# Altium PCB MotherBoard.PcbDoc (part 3 of 10)
Units mm, origin at the board's own origin, x right, y up, seen from the top; angles counter-clockwise.
Board outline 200 x 200 mm, 8 copper layers (Top Layer, Ground, Signal Layer 1, Power, Power 2, Signal Layer 2, Ground 2, Bottom Layer), stack 1.494 mm thick; 819 components, 704 nets, 3400 pads, 2339 vias.
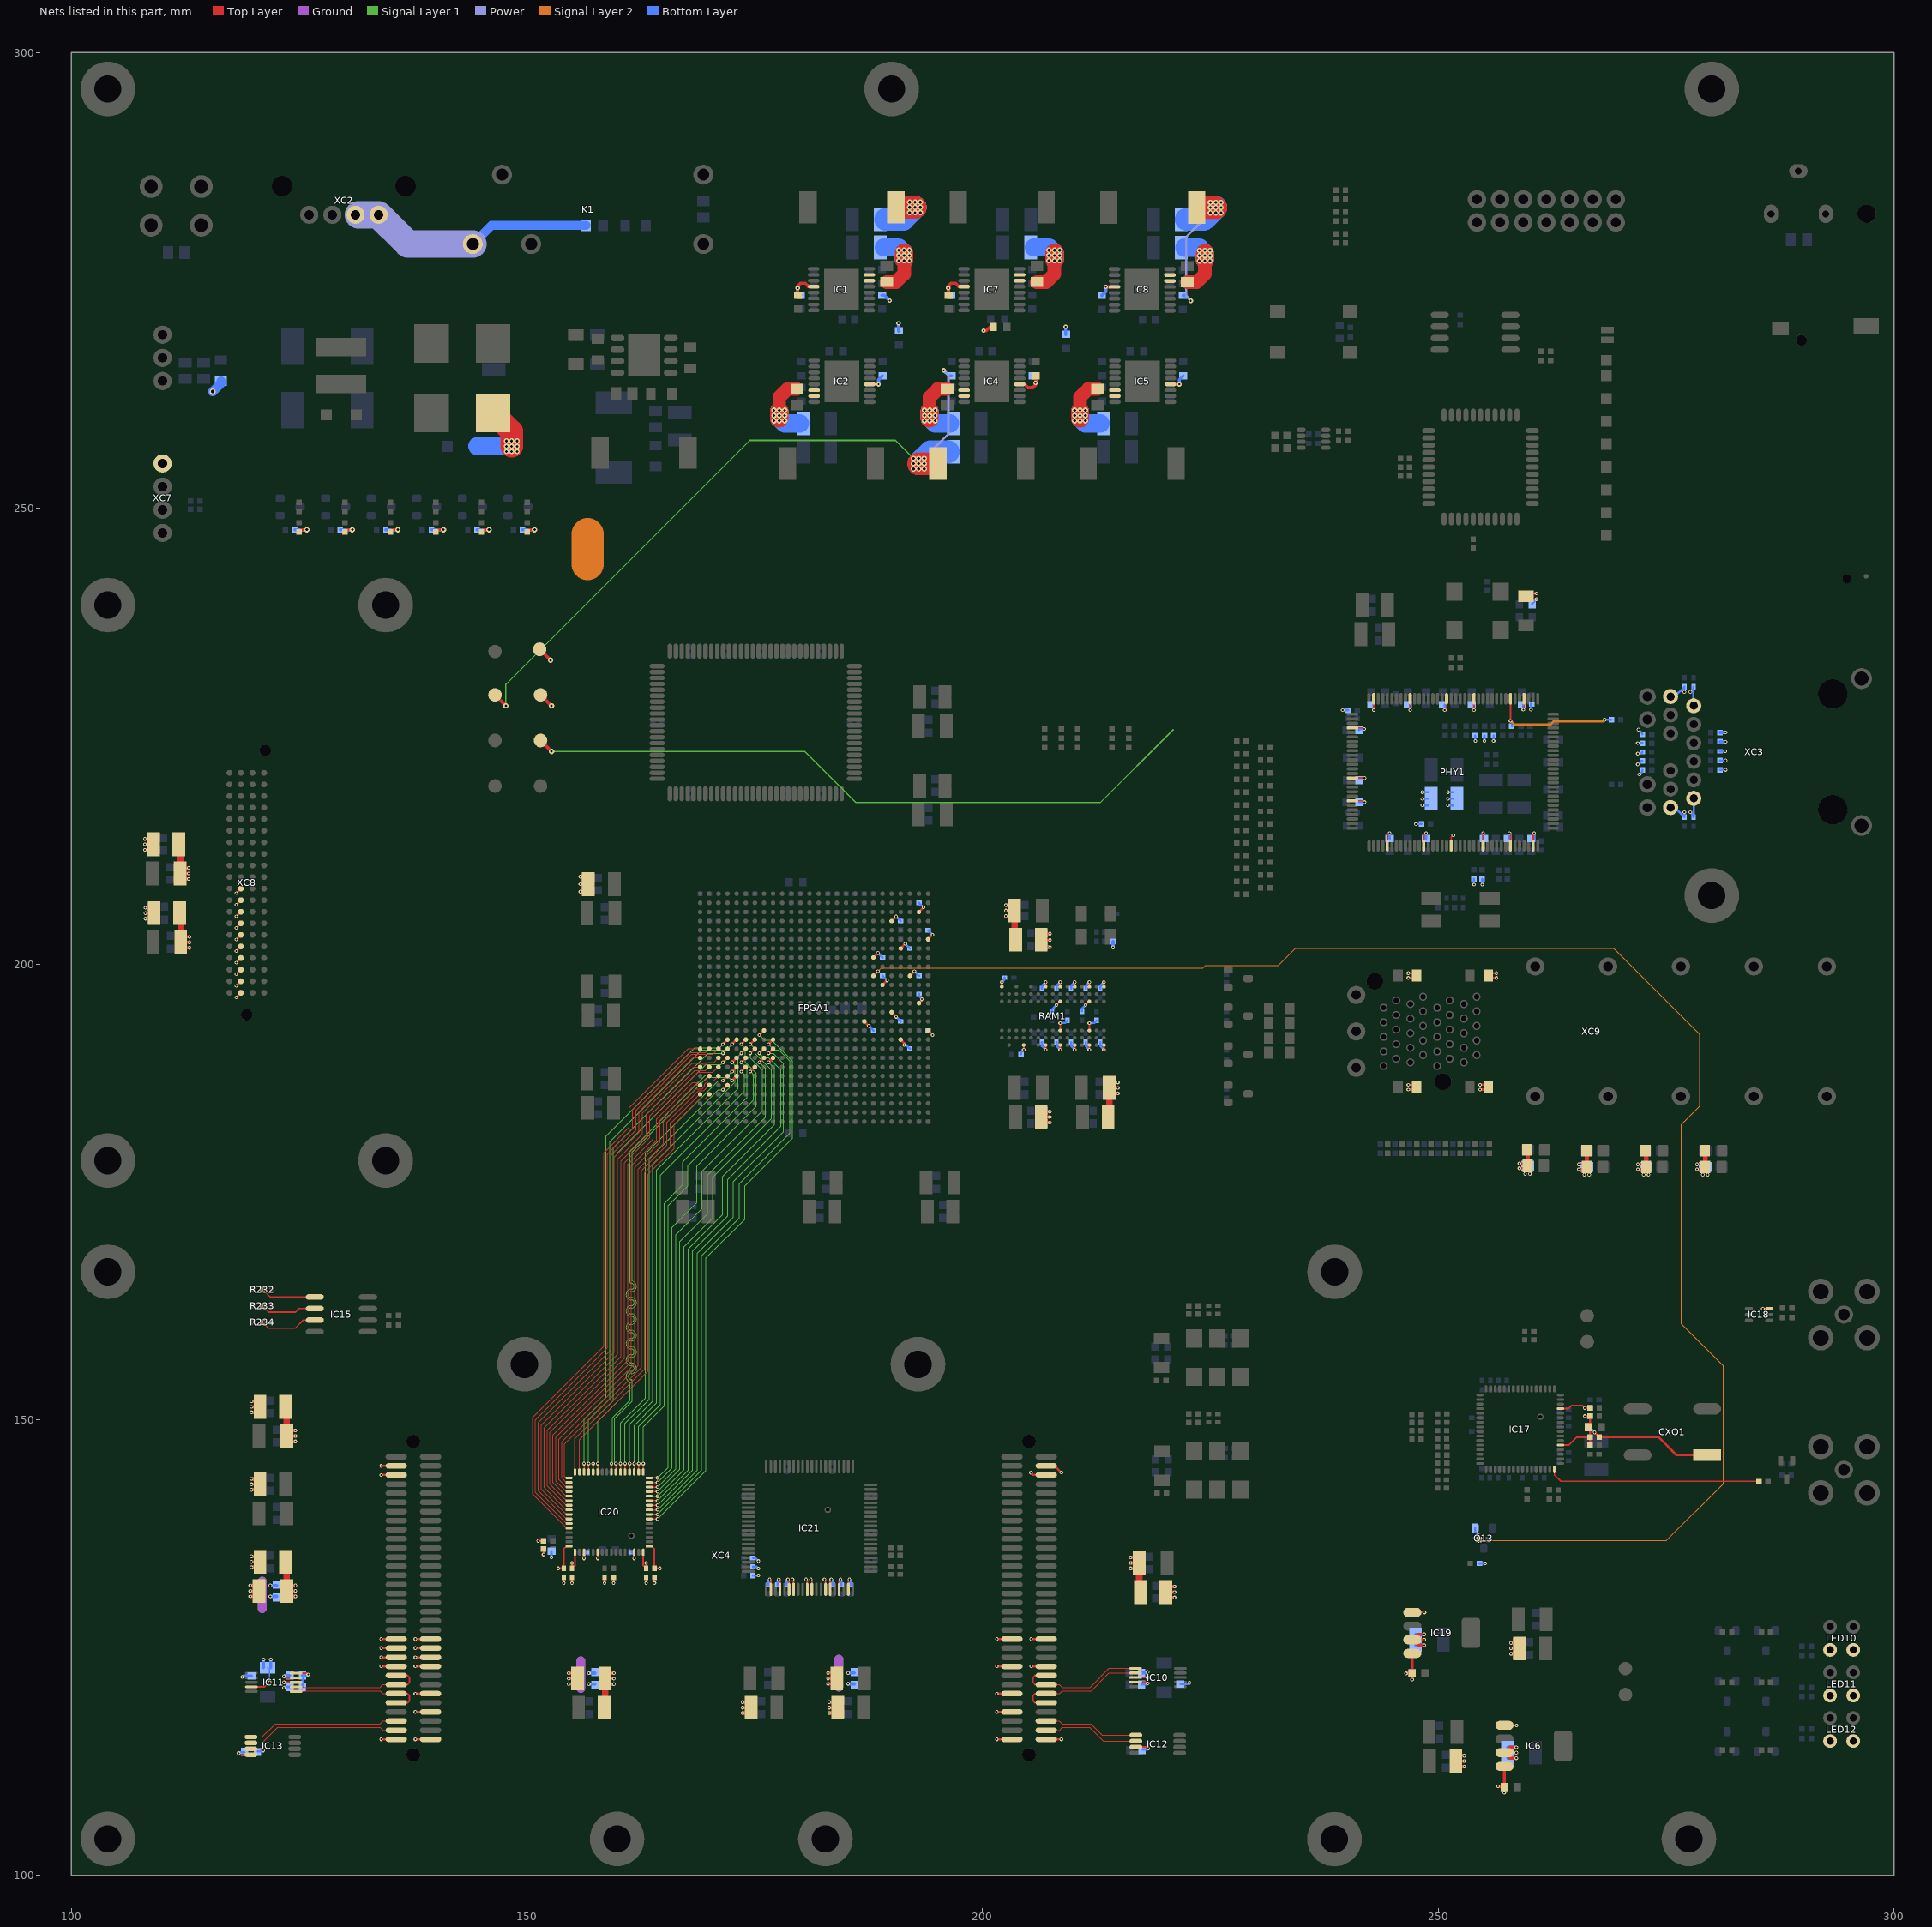
[diagram p9: the nets of this part, all layers, seen from the top]

## Via types
v1: diameter 0.4, hole 0.2, Top Layer to Bottom Layer, tented both sides, 1921 vias
v2: diameter 0.6, hole 0.3, Top Layer to Bottom Layer, tented both sides, 229 vias
v3: diameter 0.7, hole 0.4, Top Layer to Bottom Layer, 128 vias
v4: diameter 0.5, hole 0.2, Top Layer to Bottom Layer, tented both sides, 60 vias
v5: diameter 0.7, hole 0.4, Top Layer to Bottom Layer, tented both sides, 1 vias

## Nets (pads, with @x,y where several pads share a name; then routed paths per layer and width w, separated by ;. In a path a pad name is that pad's centre, name@x,y a point inside that pad or via, vN(x,y) a via of type N, cw(c..) or ccw(c..) an arc to the next point about the centre after c; other vN are vias at no path point) (continued)
1V8_FPGA: C120.2 C121.2 C122.2 C138.2 C139.2 C140.2 C163.1 C169.1 C174.1 C422.2 C423.1 C424.2 C426.2 C427.2 C428.1 C429.1 C430.1 C431.2 C432.2 C434.2 C435.1 C436.2 C437.2 C438.2 C439.1 FPGA1.K4 FPGA1.L1 FPGA1.M8 FPGA1.N5 FPGA1.P2 FPGA1.T6 L17.1 R220.2 RAM1.A1 RAM1.A9 RAM1.C1 RAM1.C3 RAM1.C7 RAM1.C9 RAM1.E1 RAM1.E9 RAM1.G1 RAM1.G3 RAM1.G7 RAM1.G9 RAM1.J1 RAM1.J9 RAM1.M9 RAM1.R1 | length 39.4
  Top Layer w0.18: RAM1.R1@202.1,197.5 v1(202.1,198) ; v1(204.5,190.6) RAM1.M9@204.5,191.1 ; v1(206.9,190.6) RAM1.J9@206.9,191.1 ; RAM1.J1@206.9,197.5 v1(206.9,198) ; v1(208.1,195.5) RAM1.G3@208.5,195.9 ; v1(208.5,190.6) RAM1.G9@208.5,191.1 ; RAM1.G7@208.5,192.7 v1(208.5,193.5) ; RAM1.G1@208.5,197.5 v1(208.5,198) ; v1(210.1,190.6) RAM1.E9@210.1,191.1 ; RAM1.E1@210.1,197.5 v1(210.1,198) ; v1(211.3,195.5) RAM1.C3@211.7,195.9 ; v1(211.7,190.6) RAM1.C9@211.7,191.1 ; RAM1.C7@211.7,192.7 v1(211.7,193.5) ; RAM1.C1@211.7,197.5 v1(211.7,198) ; RAM1.A1@213.3,197.5 v1(213.3,198) ; v1(213.3,190.6) RAM1.A9@213.3,191.1
  Top Layer w0.25: FPGA1.M8@187,193.7 v1(187.5,193.2) ; FPGA1.T6@189,197.7 v1(189.5,198.2) ; FPGA1.N5@190,194.7 v1(190.5,194.2) ; FPGA1.K4@191,191.7 191.4,191.3 v1(191.4,191.1) ; FPGA1.P2@193,195.7 193.325,196.025 v1(193.325,196.125) ; FPGA1.L1@194,192.7 v1(194.5,192.2)
  Top Layer w0.35: C174.1@213.888,185.8 v1(214.838,185.8) ; C174.1@213.888,186.4 v1(214.837,186.4) ; C174.1@213.888,187 v1(214.838,187)
  Top Layer w0.72: L17.1@213.761,183.2 213.888,183.327 C174.1@213.888,186.4
  Bottom Layer w0.25: v1(187.5,193.2) C121.2@188,192.7 ; C140.2@189,198.7 v1(189.5,198.2) ; v1(190.5,194.2) C138.2@191,193.7 ; v1(191.4,191.1) 191.6,191.1 C120.2@192,190.7 ; C122.2@193,196.7 193,196.525 193.325,196.2 v1(193.325,196.125) ; C139.2@194,192.7 v1(194.5,192.2) ; v1(202.1,198) 202.4,198.3 C432.2@202.4,198.5 ; C424.2@204.2,190.1 204.2,190.3 v1(204.5,190.6) ; C422.2@206.5,191.4 206.5,191 v1(206.9,190.6) ; C437.2@206.5,197.3 206.5,197.6 v1(206.9,198) ; C430.1@207.6,194.8 207.6,195 v1(208.1,195.5) ; C436.2@208.1,191.4 208.1,191 v1(208.5,190.6) ; C439.1@208.1,197.2 208.1,197.6 v1(208.5,198) ; v1(208.5,193.5) 208.699,193.5 208.724,193.525 209.025,193.525 C423.1@209.3,193.8 ; C427.2@209.7,191.4 209.7,191 v1(210.1,190.6) ; C428.1@209.7,197.3 209.7,197.6 v1(210.1,198) ; C429.1@210.9,194.8 210.9,195.1 v1(211.3,195.5) ; C438.2@211.3,191.4 211.3,191 v1(211.7,190.6) ; C426.2@211.3,197.3 211.3,197.6 v1(211.7,198) ; v1(211.7,193.5) 211.899,193.5 211.924,193.525 212.225,193.525 C431.2@212.5,193.8 ; C434.2@212.9,191.4 212.9,191 v1(213.3,190.6) ; C435.1@212.9,197.3 212.9,197.601 v1(213.3,198)
  Bottom Layer w0.35: C169.1@214.164,185.8 v1(214.838,185.8) ; C163.1@214.164,187 v1(214.838,187) ; v1(214.3,201.819) R220.2@214.3,202.48
2V5: C38.2 C150.1 C156.1 CP3.1 L5.2 L15.2 R25.1 | length 84.3
  Top Layer w0.35: CP3.1@146.475,229.525 v2(147.675,228.325) ; L15.2@206.4,201.85 206.425,201.825 v1(207.375,201.825) ; L15.2@206.41,203.35 206.435,203.325 v1(207.375,203.325) ; L15.2@206.421,202.65 206.471,202.6 v1(207.375,202.6)
  Top Layer w2.5: v2(192.975,254.9) L5.2@194.725,254.9
  Signal Layer 1 w0.15: v2(147.675,228.325) 147.675,230.675 174.45,257.45 190.425,257.45 v2(192.975,254.9)
  Power w0.25: v2(192.975,254.9) 196.237,258.162 196.237,264.6 v4(195.712,265.125) v4@195.712,265.099
  Bottom Layer w0.35: v4(195.712,265.125) 196.299,264.538 R25.1@196.562,264.538 ; C150.1@206.699,201.95 206.824,201.825 v1(207.375,201.825) ; C156.1@206.699,203.35 206.724,203.325 v1(207.375,203.325)
  Bottom Layer w2.5: v2@192.962,254.888 194.275,256.2 C38.2@196.2,256.2
  other v2: 192.4,254.325 192.975,254.325 193.575,254.325 192.4,254.9 193.575,254.9 192.4,255.475 192.975,255.475 193.575,255.475
2V5_ETH: C118.2 C119.2 C134.2 C135.2 C136.1 C137.2 C161.1 C167.1 C172.2 C191.1 C193.1 C195.1 C197.1 C199.2 C200.1 C202.2 C203.1 C205.1 C207.1 C208.1 C210.1 C212.1 C218.1 C219.1 C220.1 C221.1 FPGA1.AA1 FPGA1.AC5 FPGA1.AD2 FPGA1.U3 FPGA1.W7 FPGA1.Y4 L15.1 L24.1 PHY1.4 PHY1.15 PHY1.21 PHY1.29 PHY1.37 PHY1.42 PHY1.53 PHY1.58 PHY1.69 PHY1.77 PHY1.83 PHY1.90 R53.1 R87.1 R88.1 R96.1 R97.1 R98.1 R99.1 R100.1 R101.1 R102.1 R103.1 R104.1 R105.1 R110.2 R111.2 R112.2 XC3.1 XC3.6 XC3.7 XC3.12 | length 61.8
  Top Layer w0.18: PHY1.58@240.58,217.9 241.75,217.9 v1(241.9,217.75) ; PHY1.53@240.58,220.4 v1(241.9,220.4) ; PHY1.42@240.58,225.9 241.75,225.9 v1(241.875,225.775) ; v1(242.9,227.85) PHY1.37@242.9,229.1 ; PHY1.69@244.4,212.971 244.4,214.1 v1(244.65,214.35) ; v1(246.9,227.85) PHY1.29@246.9,229.1 ; PHY1.77@248.4,212.971 248.4,214.1 v1(248.65,214.35) ; v1(250.7,227.85) 250.9,228.05 PHY1.21@250.9,229.1 ; PHY1.83@251.4,212.971 251.4,213.9 v1(251.625,214.125) ; v1(253.9,227.85) PHY1.15@253.9,229.1 ; PHY1.90@254.9,212.971 v1(254.9,214.35) ; v1(259.313,227.911) 259.4,227.998 PHY1.4@259.4,229.1
  Top Layer w0.25: FPGA1.W7@188,200.7 v1(188.5,201.2) ; FPGA1.AC5@190,204.7 v1(190.5,205.2) ; FPGA1.Y4@191,201.7 v1(191.5,202.2) ; FPGA1.U3@192,198.7 v1(192.5,199.2) ; FPGA1.AD2@193,205.7 v1(193.5,206.2) ; FPGA1.AA1@194,202.7 v1(194.5,203.2)
  Top Layer w0.35: v1(202.55,205.25) C172.2@203.5,205.25 ; v1(202.55,205.85) C172.2@203.5,205.85 ; v1(202.55,206.45) C172.2@203.5,206.45
  Top Layer w0.72: C172.2@203.5,205.85 203.5,202.777 L15.1@203.627,202.65
  Bottom Layer w0.15: C220.1@278,216.1 C220.1@278.019,216.119 ; XC3.1@278,228.349 XC3.1@278.019,228.33
  Bottom Layer w0.25: v1(188.5,201.2) C119.2@189,200.7 ; v1(190.5,205.2) C134.2@191,204.7 ; v1(191.5,202.2) C118.2@192,201.7 ; v1(192.5,199.2) C137.2@193,198.7 ; C136.1@193,206.7 v1(193.5,206.2) ; C135.2@194,203.7 v1(194.5,203.2) ; v1(239.492,227.85) R53.1@240.092,227.85 ; C202.2@241.27,225.65 241.395,225.775 v1(241.875,225.775) ; C197.1@241.3,217.75 v1(241.9,217.75) ; C199.2@241.3,220.4 v1(241.9,220.4) ; v1(242.9,227.85) C205.1@242.9,228.45 ; C195.1@244.65,213.75 v1(244.65,214.35) ; v1(246.9,227.85) C207.1@246.9,228.45 ; v1(247.542,215.35) R87.1@248.142,215.35 ; v1(248.25,217.4) L24.1@248.85,217.4 ; v1(248.25,218.125) L24.1@248.85,218.125 ; v1(248.25,218.85) L24.1@248.85,218.85 ; C193.1@248.65,213.75 v1(248.65,214.35) ; v1(250.7,227.85) C208.1@250.7,228.45 ; v1(253.9,227.85) C210.1@253.9,228.45 ; v1(253.906,208.709) R97.1@253.906,209.309 ; v1(254.05,224.467) R112.2@254.05,225.067 ; v1(254.806,208.709) R96.1@254.806,209.309 ; C191.1@254.9,213.75 v1(254.9,214.35) ; v1(255.05,224.467) R111.2@255.05,225.067 ; v1(256.05,224.467) R110.2@256.05,225.067 ; v1(259.313,227.911) C212.1@259.313,228.45 ; v1(260.15,227.917) R88.1@260.15,228.517 ; v1(271.875,221.9) 272.25,222.275 R99.1@272.392,222.275 ; v1(271.875,223.075) 272.231,223.075 C200.1@272.4,223.244 ; v1(271.875,224.225) R105.1@272.392,224.225 ; v1(271.963,225.711) 272.392,225.282 R104.1@272.392,225.2 ; v1(272.05,220.8) 272.392,221.142 R98.1@272.392,221.3 ; XC3.12@275.479,217.154 275.946,217.154 C221.1@277,216.1 v1(277,216.65) ; XC3.7@275.479,229.346 275.946,229.346 C218.1@277,230.4 v1(277,229.85) ; v1(277.65,216.65) 278,216.3 C220.1@278,216.1 ; v1(277.65,229.85) 278,230.2 C219.1@278,230.4 XC3.1@278,228.349 ; C220.1@278.019,216.119 XC3.6@278.019,218.17 ; C203.1@280.9,223.344 v1(281.5,223.344) ; R101.1@280.908,221.3 v1(281.508,221.3) ; R100.1@280.908,222.325 v1(281.508,222.325)
  Bottom Layer w0.35: v1(202.55,205.25) C161.1@203.224,205.25 ; v1(202.55,206.45) C167.1@203.224,206.45 ; R102.1@280.908,224.375 v1(281.508,224.375) ; R103.1@280.908,225.4 v1(281.508,225.4)
2V5_ETH_A: C215.1 C217.1 L24.2 PHY1.96 PHY1.101 | length 5.8
  Top Layer w0.18: v1(257.8,214.35) 257.9,214.25 PHY1.96@257.9,212.971 ; PHY1.101@260.4,212.971 260.4,214.25 v1(260.5,214.35)
  Bottom Layer w0.25: v1(251.044,217.4) L24.2@251.644,217.4 ; v1(251.044,218.125) L24.2@251.644,218.125 ; v1(251.044,218.85) L24.2@251.644,218.85 ; C217.1@257.8,213.75 v1(257.8,214.35) ; C215.1@260.5,213.75 v1(260.5,214.35)
3V3: C19.1 C149.1 C155.1 C189.2 C240.1 C241.1 C242.1 C243.1 C250.1 C251.1 C252.1 C253.1 C343.1 C344.1 C361.1 C363.1 CP1.1 L2.2 L14.1 L22.1 L29.2 L30.2 L31.1 L32.1 L36.2 L38.2 R9.1 R13.1 R29.1 R48.1 XC7.1 | length 44.3
  Top Layer w0.25: v1(260.775,240.025) 259.925,240.025 L22.1@259.6,240.35 259.9,240.65 v1(260.775,240.65)
  Top Layer w0.35: v1(108.054,212.525) L38.2@109.004,212.525 ; v1(108.054,213.125) L38.2@109.003,213.125 ; v1(108.054,213.725) L38.2@109.004,213.725 ; v1(119.753,133.8) L32.1@120.703,133.8 ; v1(119.753,134.4) L32.1@120.703,134.4 ; v1(119.753,135) L32.1@120.703,135 ; v1(119.753,142.3) L30.2@120.703,142.3 ; v1(119.753,142.9) L30.2@120.703,142.9 ; v1(119.753,143.5) L30.2@120.703,143.5 ; CP1.1@151.475,229.525 v2(152.675,228.325) ; v1(155.853,207.925) 156.579,207.925 L36.2@156.804,208.15 ; v1(155.853,209.575) 156.579,209.575 L36.2@156.804,209.35 ; v1(155.855,208.75) L36.2@156.804,208.75 ; v1(173.653,117.8) L29.2@174.603,117.8 ; v1(173.653,118.4) L29.2@174.603,118.4 ; v1(173.653,119) L29.2@174.603,119 ; v1(183.153,117.8) L31.1@184.103,117.8 ; v1(183.153,118.4) L31.1@184.103,118.4 ; v1(183.153,119) L31.1@184.103,119 ; v4(200.1,269.5) 200.4,269.5 200.8,269.9 R48.1@201.138,269.9 ; L14.1@206.421,182.6 v1(207.37,182.6) ; L14.1@206.421,183.2 v1(207.37,183.2) ; L14.1@206.421,183.8 v1(207.37,183.8)
  Top Layer w2.5: L2.2@190.823,283.014 v2(192.573,283.014)
  Bottom Layer w0.25: v1(108.054,212.525) C361.1@108.728,212.525 ; v1(108.054,213.725) C363.1@108.728,213.725 ; C189.2@260.3,239.45 260.3,239.55 v1(260.775,240.025)
  Bottom Layer w0.35: v1(119.753,133.8) C253.1@120.427,133.8 ; v1(119.753,135) C251.1@120.427,135 ; v1(119.753,142.3) C243.1@120.427,142.3 ; v1(119.753,143.5) C241.1@120.427,143.5 ; v1(155.853,207.925) 156.303,207.925 C344.1@156.528,208.15 ; v1(155.853,209.575) 156.303,209.575 C343.1@156.528,209.35 ; v1(173.653,117.8) C242.1@174.327,117.8 ; v1(173.653,119) C240.1@174.327,119 ; v1(183.153,117.8) C250.1@183.827,117.8 ; v1(183.153,119) C252.1@183.827,119 ; R9.1@188.948,273.376 189.211,273.376 v4(189.798,272.789) ; R13.1@190.752,269.448 v4(190.752,270.286) ; C149.1@206.697,182.6 v1(207.37,182.6) ; C155.1@206.697,183.8 v1(207.37,183.8) ; R29.1@209.102,269.073 v4(209.102,269.911)
  Bottom Layer w2.5: C19.1@189.348,281.714 191.273,281.714 v2@192.585,283.026
  other v2: 191.973,282.439 192.573,282.439 193.148,282.439 191.973,283.014 193.148,283.014 191.973,283.589 192.573,283.589 193.148,283.589
3V3_GPIO: C365.1 C367.1 C369.2 L38.1 XC8.51 XC8.52 XC8.53 XC8.54 XC8.55 | length 11
  Top Layer w0.25: v1(118.105,202.685) XC8.55@118.605,203.185 ; v1(118.105,203.955) XC8.54@118.605,204.455 ; v1(118.105,205.225) XC8.53@118.605,205.725 ; v1(118.105,206.495) XC8.52@118.605,206.995 ; v1(118.105,207.765) XC8.51@118.605,208.265
  Top Layer w0.35: C369.2@111.925,209.325 v1(112.875,209.325) ; C369.2@111.925,209.925 v1(112.875,209.925) ; C369.2@111.925,210.525 v1(112.875,210.525)
  Top Layer w0.72: L38.1@111.797,213.125 111.925,212.998 C369.2@111.925,209.925
  Bottom Layer w0.25: C365.1@112.201,209.325 v1(112.875,209.325) ; C367.1@112.201,210.525 v1(112.875,210.525)
3V3_MGT: C71.2 C397.2 C398.1 C399.1 C400.2 C403.2 C404.2 C405.1 C406.1 CP8.1 L10.2 L40.1 L41.2 L42.1 L43.2 R46.1 | length 130.7
  Top Layer w0.25: v1(258.891,177.571) C398.1@259.811,177.571 ; v1(258.891,178.101) C398.1@259.797,178.101 ; v1(259.521,176.97) C398.1@259.521,177.89 ; v1(260.051,176.97) C398.1@260.051,177.89 ; v1(265.391,177.471) C406.1@266.311,177.471 ; v1(265.391,178.001) C406.1@266.297,178.001 ; v1(266.021,176.87) C406.1@266.021,177.79 ; v1(266.551,176.87) C406.1@266.551,177.79 ; v1(271.891,177.471) C405.1@272.811,177.471 ; v1(271.891,178.001) C405.1@272.797,178.001 ; v1(272.521,176.87) C405.1@272.521,177.79 ; v1(273.051,176.87) C405.1@273.051,177.79 ; v1(278.391,177.471) C399.1@279.311,177.471 ; v1(278.391,178.001) C399.1@279.297,178.001 ; v1(279.021,176.87) C399.1@279.021,177.79 ; v1(279.551,176.87) C399.1@279.551,177.79
  Top Layer w0.35: CP8.1@151.475,224.525 v2(152.675,223.325)
  Top Layer w0.5: L41.2@259.746,179.625 259.797,179.574 C398.1@259.797,178.101 ; C398.1@259.797,177.825 C398.1@259.797,178.101 ; C398.1@259.811,178.101 C398.1@259.797,178.101 ; L43.2@266.246,179.525 266.297,179.474 C406.1@266.297,178.001 ; C406.1@266.297,177.725 C406.1@266.297,178.001 ; C406.1@266.311,178.001 C406.1@266.297,178.001 ; L42.1@272.746,179.525 272.797,179.474 C405.1@272.797,178.001 ; C405.1@272.797,177.725 C405.1@272.797,178.001 ; C405.1@272.811,178.001 C405.1@272.797,178.001 ; L40.1@279.246,179.525 279.297,179.474 C399.1@279.297,178.001 ; C399.1@279.297,177.725 C399.1@279.297,178.001 ; C399.1@279.311,178.001 C399.1@279.297,178.001
  Top Layer w2.5: L10.2@223.823,282.989 v2(225.573,282.989)
  Signal Layer 1 w0.15: v2(152.675,223.325) 180.475,223.325 186.1,217.7 212.9,217.7 220.925,225.725
  Power w0.25: v4(222.836,272.764) 222.311,273.289 222.311,279.727 v2(225.573,282.989)
  Bottom Layer w0.25: v1(258.891,177.571) C400.2@259.811,177.571 ; v1(258.891,178.101) C400.2@259.811,178.101 ; v1(259.521,176.97) C400.2@259.521,177.89 ; v1(260.051,176.97) C400.2@260.051,177.89 ; v1(265.391,177.471) C404.2@266.311,177.471 ; v1(265.391,178.001) C404.2@266.311,178.001 ; v1(266.021,176.87) C404.2@266.021,177.79 ; v1(266.551,176.87) C404.2@266.551,177.79 ; v1(271.891,177.471) C403.2@272.811,177.471 ; v1(271.891,178.001) C403.2@272.811,178.001 ; v1(272.521,176.87) C403.2@272.521,177.79 ; v1(273.051,176.87) C403.2@273.051,177.79 ; v1(278.391,177.471) C397.2@279.311,177.471 ; v1(278.391,178.001) C397.2@279.311,178.001 ; v1(279.021,176.87) C397.2@279.021,177.79 ; v1(279.551,176.87) C397.2@279.551,177.79
  Bottom Layer w0.35: R46.1@221.986,273.351 222.249,273.351 v4(222.836,272.764)
  Bottom Layer w2.5: C71.2@222.348,281.689 224.273,281.689 v2@225.586,283.001
  other v2: 224.973,282.414 225.573,282.414 226.148,282.414 224.973,282.989 226.148,282.989 224.973,283.564 225.573,283.564 226.148,283.564
3V3_SFP+_CLK: C58.1 C382.1 C383.1 IC6.3 L39.2 | length 11.4
  Top Layer w0.35: L39.2@251.897,111.925 v1(252.847,111.925) ; L39.2@251.897,112.525 v1(252.847,112.525) ; L39.2@251.897,113.125 v1(252.847,113.125) ; v1(258.551,112.85) 257.876,112.85 IC6.3@257.276,113.45 ; v1(258.551,113.45) IC6.3@257.276,113.45 ; v1(258.551,114.05) 257.876,114.05 IC6.3@257.276,113.45
  Bottom Layer w0.35: C383.1@252.173,111.925 v1(252.847,111.925) ; C382.1@252.173,113.125 v1(252.847,113.125) ; C58.1@257.601,112.85 v1(258.551,112.85) ; C58.1@257.601,113.45 v1(258.551,113.45) ; C58.1@257.601,114.05 v1(258.551,114.05)
5V: C3.1 C4.1 C6.1 C7.1 C23.1 C24.2 C26.1 C27.1 C40.1 C43.1 C44.1 C45.1 C50.1 C51.1 C222.1 C223.1 C224.1 C225.1 C284.1 C286.1 C360.1 C362.1 CP5.1 D6.1 F2.1 IC1.6 IC1.12 IC2.6 IC2.12 IC4.6 IC4.12 IC5.6 IC5.12 IC6.1 IC6.4 IC7.6 IC7.12 IC8.6 IC8.12 IC18.6 IC19.1 IC19.4 L25.1 L26.2 L37.2 LED10.1 LED10.2 LED11.1 LED11.2 LED12.1 LED12.2 R2.2 R4.1 R5.1 R6.2 R17.1 R20.1 R21.1 R30.2 R31.2 R32.2 R33.2 R34.2 R35.2 R36.2 R37.2 R40.2 R41.1 R42.2 R49.2 R50.2 R51.2 R52.2 R137.2 XC9.INL_2 XC9.INR_2 XC9.OUTL_2 XC9.OUTR_2 | length 125.8
  Top Layer w0.18: IC19.1@247.148,128.85 v1(248.475,128.85) ; IC6.1@257.248,116.45 v1(258.575,116.45) ; v1(285.6,162.175) IC18.6@286.325,162.175
  Top Layer w0.25: v1(246.705,186.21) XC9.INL_2@247.625,186.21 ; v1(246.705,186.74) XC9.INL_2@247.625,186.74 ; v1(246.705,198.46) XC9.INR_2@247.625,198.46 ; v1(246.705,198.99) XC9.INR_2@247.625,198.99 ; v1(254.565,186.21) XC9.OUTL_2@255.485,186.21 ; v1(254.565,186.74) XC9.OUTL_2@255.485,186.74 ; XC9.OUTR_2@255.435,198.46 v1(256.355,198.46) ; XC9.OUTR_2@255.435,198.99 v1(256.355,198.99)
  Top Layer w0.35: v1(108.129,204.975) L37.2@109.079,204.975 ; v1(108.129,205.575) L37.2@109.078,205.575 ; v1(108.129,206.175) L37.2@109.079,206.175 ; v1(119.753,150.8) L26.2@120.703,150.8 ; v1(119.753,151.4) L26.2@120.703,151.4 ; v1(119.753,152) L26.2@120.703,152 ; R32.2@125,247.392 125.258,247.65 v2(125.825,247.65) ; R52.2@130.258,247.65 v2(130.825,247.65) ; R50.2@135.258,247.65 v2(135.825,247.65) ; R37.2@140.258,247.65 v2(140.825,247.65) ; R33.2@145.258,247.65 v2(145.825,247.65) ; R36.2@150.258,247.65 v2(150.825,247.65) ; CP5.1@151.375,234.525 v2(152.575,233.325) ; R2.2@179.71,273.376 v4(179.71,274.164) 179.71,274.389 180.01,274.689 180.541,274.689 180.849,274.381 180.849,274.314 IC1.12@181.414,274.314 ; IC2.12@187.596,263.6 v4(188.575,263.6) ; R40.2@196.21,273.376 v4(196.21,274.164) 196.21,274.389 196.51,274.689 197.041,274.689 197.349,274.381 197.349,274.314 IC7.12@197.914,274.314 ; IC4.12@204.096,263.6 204.661,263.6 204.661,263.533 204.969,263.225 205.5,263.225 205.8,263.525 v4(205.8,263.75) R17.1@205.8,264.538 ; v4(213.511,274.289) IC8.12@214.49,274.289 ; L25.1@220.097,130.475 v1(221.047,130.475) ; L25.1@220.097,131.075 v1(221.047,131.075) ; L25.1@220.097,131.675 v1(221.047,131.675) ; IC5.12@220.596,263.6 v4(221.575,263.6) ; v1(246.45,122.15) C286.1@247.125,122.15 ; v1(247.125,121.475) C286.1@247.125,122.15 ; IC19.4@247.148,124.35 247.125,124.327 C286.1@247.125,122.15 ; v1(256.55,109.75) C45.1@257.225,109.75 ; v1(257.225,109.075) C45.1@257.225,109.75 ; IC6.4@257.248,111.95 257.225,111.927 C45.1@257.225,109.75
  Top Layer w1.5: v2@177.675,260.625 177.675,262.192 178.572,263.089 C4.1@179.6,263.089 ; C3.1@189.448,274.825 190.476,274.825 191.373,275.722 v2@191.373,277.289 ; v2@194.175,260.625 194.175,262.192 195.072,263.089 C23.1@196.1,263.089 ; C43.1@205.948,274.825 206.976,274.825 207.873,275.722 v2@207.873,277.289 ; v2@210.675,260.625 210.675,262.192 211.572,263.089 C24.2@212.6,263.089 ; C44.1@222.448,274.8 223.476,274.8 224.373,275.697 v2@224.373,277.264
  Top Layer w2: v2@177.675,259.875 v2@177.675,260.625 ; v2@191.373,277.289 v2@191.373,278.039 ; v2@194.175,259.875 v2@194.175,260.625 ; v2@207.873,277.289 v2@207.873,278.039 ; v2@210.675,259.875 v2@210.675,260.625 ; v2@224.373,277.264 v2@224.373,278.014
  Top Layer w2.5: F2.1@146.27,260.469 148.3,258.439 v2(148.3,256.8)
  Signal Layer 2 w3.5: 156.65,243.85 156.65,247.175
  Bottom Layer w0.25: v1(108.129,204.975) C360.1@108.803,204.975 ; v1(108.129,206.175) C362.1@108.803,206.175 ; R137.2@254.508,134.225 v1(255.15,134.225)
  Bottom Layer w0.35: v1(119.753,150.8) C225.1@120.427,150.8 ; v1(119.753,152) C223.1@120.427,152 ; R30.2@124.508,247.65 v2(125.825,247.65) ; R51.2@129.508,247.65 v2(130.825,247.65) ; R49.2@134.508,247.65 v2(135.825,247.65) ; R35.2@139.508,247.65 v2(140.825,247.65) ; R31.2@144.508,247.65 v2(145.825,247.65) ; R34.2@149.508,247.65 v2(150.825,247.65) ; v4(179.71,274.164) 179.71,273.664 179.998,273.376 R4.1@180.01,273.376 ; v4(188.575,263.6) 188.575,264.113 R5.1@189,264.538 ; v4(196.21,274.164) 196.21,273.664 196.498,273.376 R41.1@196.51,273.376 ; R20.1@205.5,264.538 205.512,264.538 205.8,264.25 v4(205.8,263.75) ; R42.2@213.086,273.351 213.511,273.776 v4(213.511,274.289) ; C222.1@220.373,130.475 v1(221.047,130.475) ; C224.1@220.373,131.675 v1(221.047,131.675) ; v4(221.575,263.6) 221.575,264.113 R21.1@222,264.538 ; v1(246.45,122.15) C284.1@247.125,122.15 v1(247.125,121.475) ; v1(256.55,109.75) 257.225,109.75 v1(257.225,109.075)